# KiCad board ClockIOT.kicad_pcb (continued)
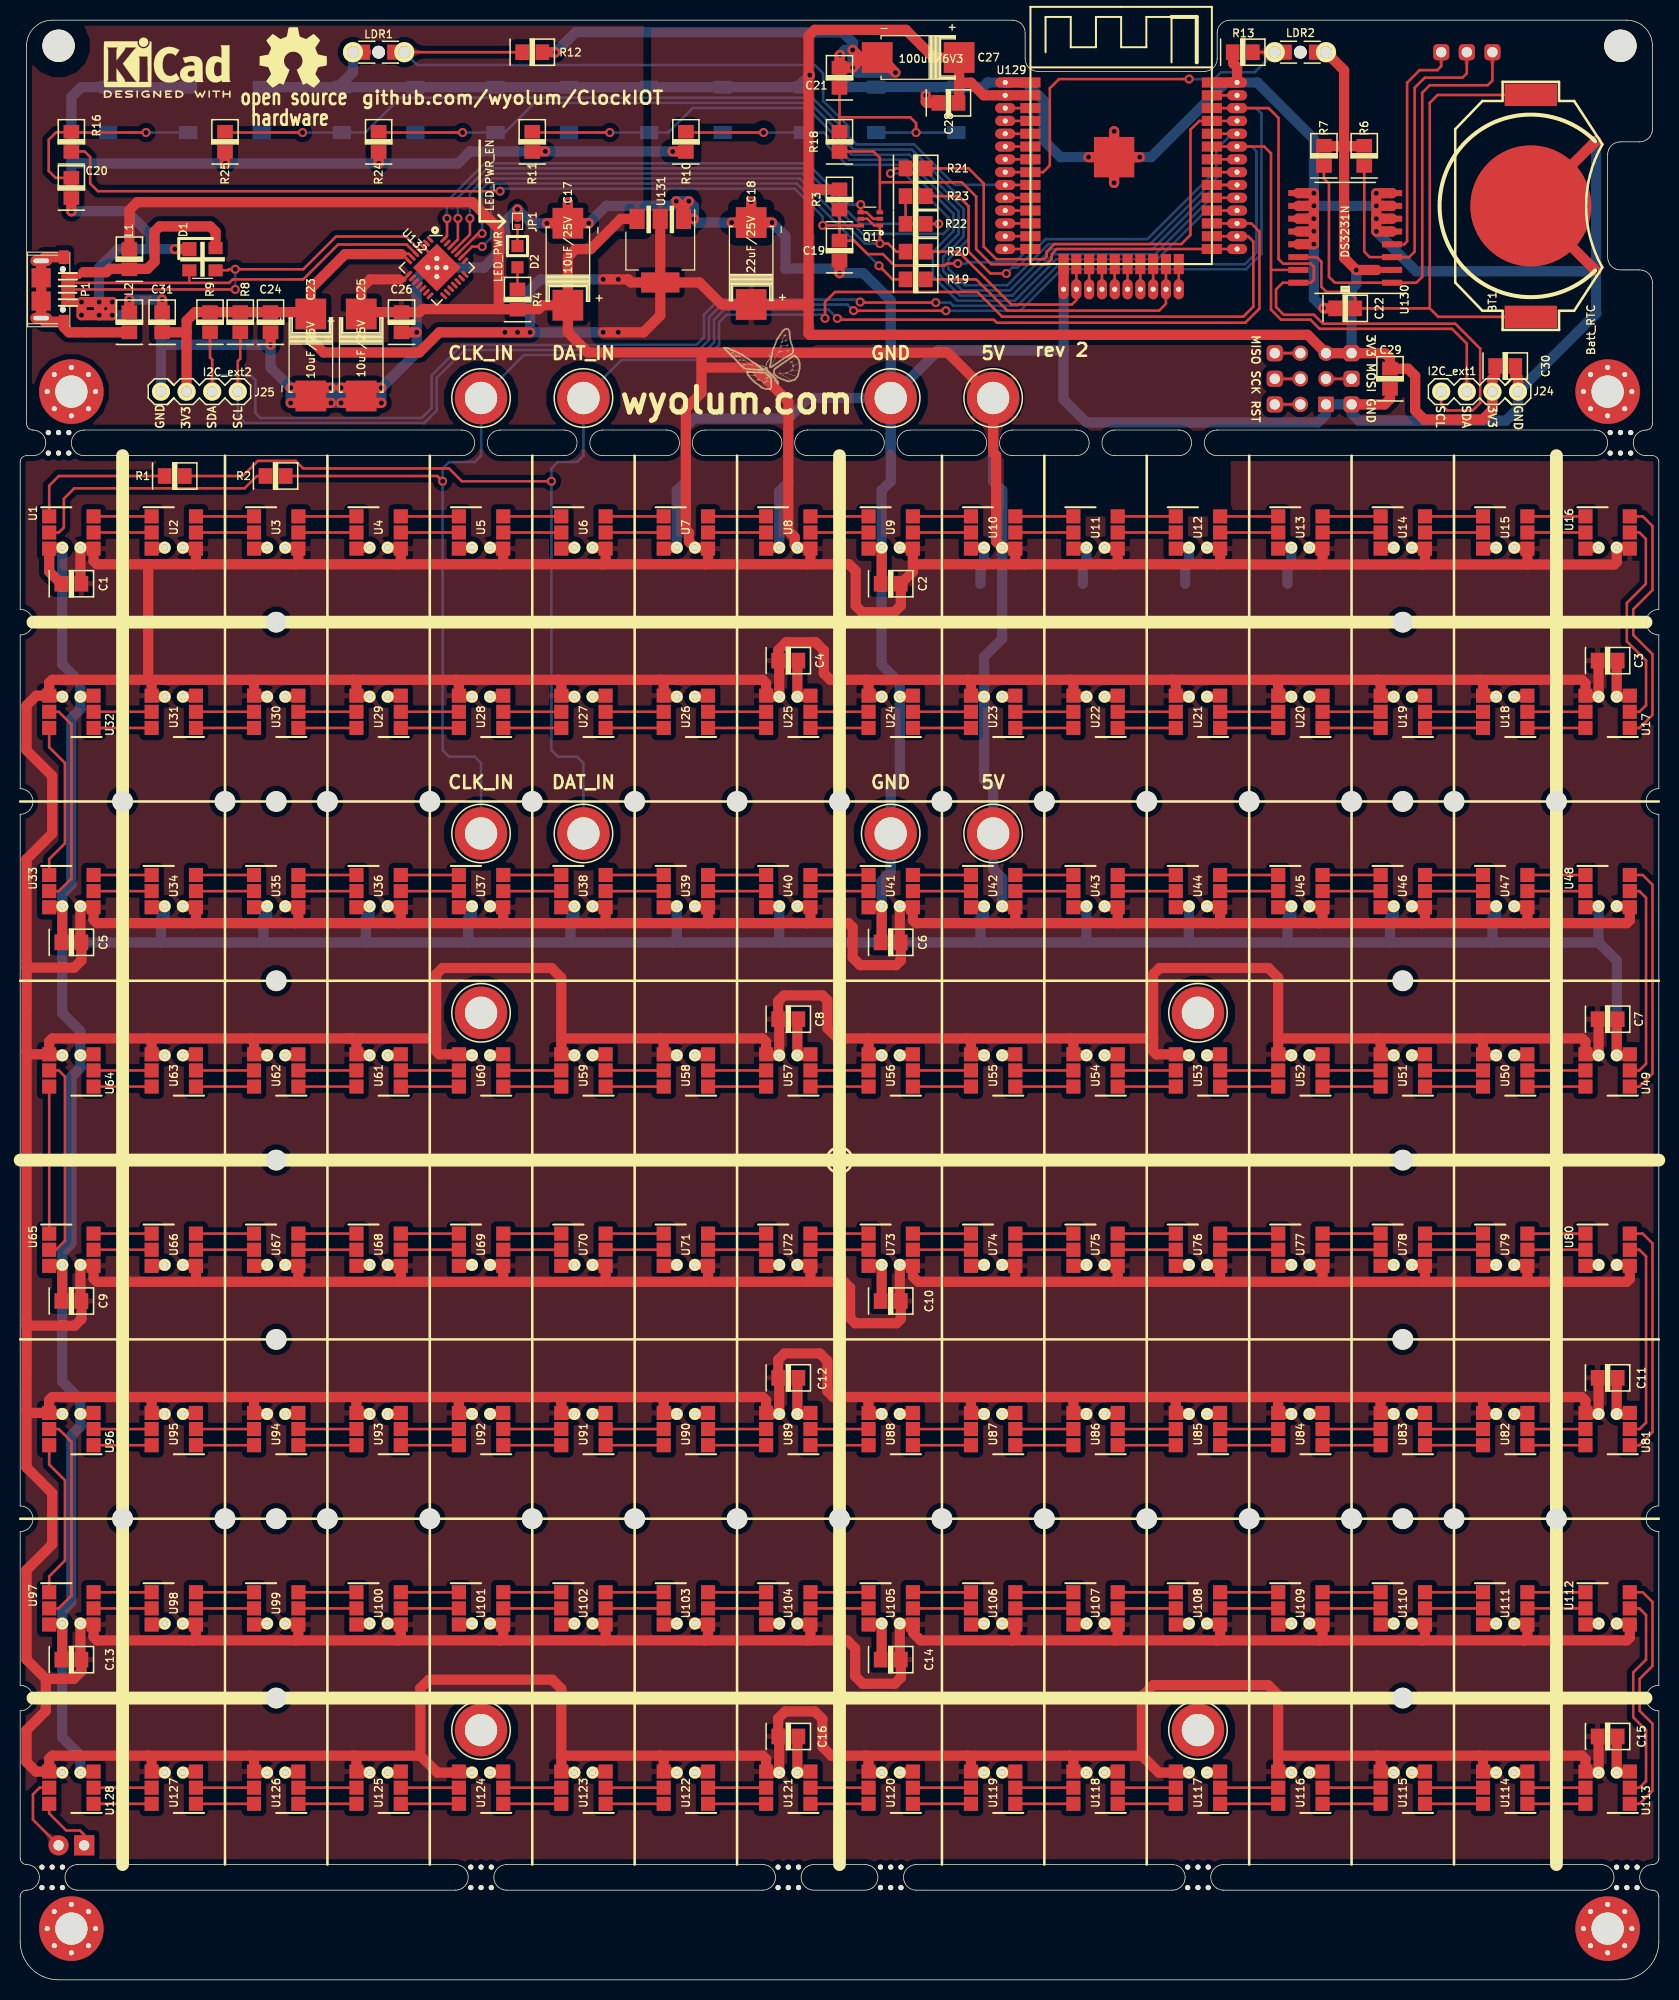
[diagram p0: board, top side]
## Routing (per net, layer and track width the routed paths; a pad name or vN(x,y) marks a point on that pad's centre or on a via; arc(x,y) is an arc through that point) (continued)
  Bottom w1.016: U42.4 97.42,109.23 96.52,110.13 J15.1 96.52,118.11 95.62,119.01 U23.4 95.62,131.18 97.42,132.98 U10.4 97.42,147.69 96.52,148.59 J7.1
GND: length 1342.8
  Top w0.254: U132.3 41.14,170.67 U132.29 ; 41.84,171.26 41.97,171.12 41.97,170.41
  Top w0.508: P1.5 6.03,166.31 v1(6.09,166.36)
  Top w1.016: v1(70.59,174.24) C18.2 ; C18.2 74.58,174.24 v1(74.59,174.24) ; C18.2 72.52,176.32 v1(72.52,176.32) ; v1(156.34,169.42) BT1.2 149.87,175.9 v1(156.33,182.36) ; U69.3 43.62,70.89 U69.3 ; v1(128.34,175.9) v1(128.34,177.16) 126.8,177.16 U130.9 ; v1(128.35,175.9) 128.35,174.64 v1(128.34,174.63) ; v1(128.35,175.9) 126.8,175.9 U130.10 ; U87.3 98.62,56.11 U87.3 ; U53.3 118.94,91.67 U53.3 ; U51.3 139.26,91.67 U51.3 ; 47.92,20.65 47.82,20.55 46.62,20.55 ; U40.3 74.1,106.45 U40.3 ; U4.3 33.46,142.01 U4.3 ; U84.3 129.1,56.11 U84.3 ; U43.3 104.58,106.45 U43.3 ; 145.12,35.23 145.22,35.33 U111.3 ; U115.3 139.26,20.55 U115.3 ; U89.3 78.3,56.11 U89.3 77.1,59.59 C12.1 ; U108.3 114.74,35.33 U108.3 ; v1(65.09,176.36) 65.8,175.65 U131.1 ; v1(129.28,165.76) 129.31,165.74 C22.2 ; U131.1 65.8,175.83 v1(66.34,176.36) ; U131.1 v1(66.84,174.6) ; 145.12,141.91 145.22,142.01 U15.3 ; U52.3 129.1,91.67 U52.3 ; v1(64.72,181.29) 66.04,181.29 66.04,181.29 ; v1(81.28,169.23) 81.28,169.24 C19.2 ; U93.3 37.66,56.11 U93.3 ; C25.2 34.65,157.86 v1(35.84,157.86) ; C25.2 34.52,156.36 v1(35.84,156.36) ; C25.2 33.15,156.36 v1(31.84,156.36) ; C25.2 33.02,157.86 v1(31.84,157.86) ; U109.3 124.9,35.33 U109.3 ; U62.3 27.5,91.67 U62.3 ; 84.16,106.35 84.26,106.45 U41.3 85.46,102.97 C6.2 ; U129.39 108.52,178.19 v1(108.52,178.18) ; U129.39 v1(111.06,180.73) ; U129.39 v1(105.97,180.73) ; U129.39 108.52,183.29 v1(108.53,183.29) ; U44.3 114.74,106.45 U44.3 ; 50.8,181.29 50.81,181.3 v1(52.1,181.3) ; U23.3 98.62,127.23 U23.3 ; v1(7.84,165.06) v1(6.09,165.06) v1(6.09,166.36) v1(7.83,166.36) ; v1(7.84,165.06) v1(7.84,166.36) ; v1(7.84,165.06) v1(9.13,165.06) v1(9.13,166.36) v1(7.84,166.36) ; U123.3 57.98,20.55 56.78,20.55 ; C27.2 83.59,190.61 v1(82.59,189.61) 82.57,189.6 C21.1 81.28,190.81 v1(81.34,190.86) ; C27.2 83.34,190.61 v1(82.59,191.36) ; C27.2 85.34,190.61 v1(86.84,189.11) ; U101.3 43.62,35.33 U101.3 ; v1(35.59,180.11) 35.56,180.14 35.56,181.29 ; U98.3 13.14,35.33 U98.3 ; U107.3 104.58,35.33 U107.3 ; 56.78,91.67 57.98,91.67 U59.3 ; U39.3 63.94,106.45 U39.3 ; U79.3 145.22,70.89 145.12,70.79 ; U90.3 68.14,56.11 U90.3 ; U130.13 126.81,172.1 v1(128.35,172.1) 128.34,172.11 v1(128.34,173.38) ; U46.3 135.06,106.45 U46.3 ; U74.3 94.42,70.89 U74.3 ; U120.3 88.46,20.55 U120.3 ; U130.7 136.09,175.9 v1(134.53,175.9) ; 46.62,91.67 47.82,91.67 47.92,91.77 ; U91.3 57.98,56.11 56.78,56.11 ; U82.3 149.42,56.11 148.22,56.11 ; U86.3 108.78,56.11 U86.3 ; U77.3 124.9,70.89 U77.3 ; U31.3 17.34,127.23 U31.3 ; U56.3 88.46,91.67 U56.3 ; U113.3 159.58,20.55 158.38,20.55 158.38,24.03 C15.1 ; U67.3 23.3,70.89 U67.3 ; U71.3 63.94,70.89 U71.3 ; U95.3 17.34,56.11 U95.3 ; 51.75,191.14 53.06,191.14 v1(53.09,191.11) ; v1(134.53,174.62) v1(134.53,173.36) 136.09,173.36 U130.5 ; v1(134.53,174.62) v1(134.53,175.9) ; v1(134.53,174.62) 136.09,174.62 U130.6 ; v1(89.84,186.86) 89.84,186.22 89.95,186.11 C28.2 ; U38.3 53.78,106.45 U38.3 ; v1(134.53,175.9) 134.53,175.91 v1(134.53,177.16) 136.09,177.16 U130.8 ; U118.3 108.78,20.55 U118.3 ; U129.1 U129.1 ; U8.3 74.1,142.01 U8.3 ; U121.3 78.3,20.55 U121.3 77.1,24.03 C16.1 ; 47.92,56.21 47.82,56.11 46.62,56.11 ; U42.3 94.42,106.45 U42.3 ; C10.2 85.46,67.41 U73.3 84.26,70.89 84.16,70.79 ; C29.2 135.89,156.75 135.36,156.21 J23.1 ; U12.3 114.74,142.01 U12.3 ; U80.3 155.38,70.89 155.28,70.79 ; U54.3 108.78,91.67 U54.3 ; U45.3 124.9,106.45 U45.3 ; U110.3 135.06,35.33 U110.3 ; v1(15.34,171.61) D1.1 ; C30.1 148.32,159.1 148.59,158.83 J24.4 ; C2.2 85.46,138.53 U9.3 84.26,142.01 84.16,141.91 ; U116.3 129.1,20.55 U116.3 ; U99.3 23.3,35.33 U99.3 ; U10.3 94.42,142.01 U10.3 ; U18.3 149.42,127.23 148.22,127.23 ; U83.3 139.26,56.11 U83.3 ; 36.46,20.52 U125.3 37.66,20.55 U125.3 ; C23.2 28.15,156.36 v1(26.84,156.36) ; C23.2 29.65,157.86 v1(30.84,157.86) ; C23.2 29.52,156.36 v1(30.84,156.36) ; C23.2 28.02,157.86 v1(26.84,157.86) ; 46.62,127.23 47.82,127.23 47.92,127.33 ; v1(56.4,174.17) 56.4,174.17 C17.2 ; C17.2 v1(54.34,176.25) ; C17.2 52.26,174.17 v1(52.26,174.17) ; C14.2 85.46,31.85 U105.3 84.26,35.33 84.16,35.23 ; U57.3 78.3,91.67 U57.3 77.1,95.15 C8.1 ; U96.3 7.18,56.11 U96.3 ; U88.3 88.46,56.11 U88.3 ; U72.3 74.1,70.89 U72.3 ; U130.12 128.31,173.36 v1(128.34,173.38) ; U26.3 68.14,127.23 U26.3 ; C3.1 158.38,130.71 158.38,127.23 159.58,127.23 U17.3 ; U20.3 129.1,127.23 U20.3 ; U64.3 7.18,91.67 U64.3 ; U104.3 74.1,35.33 U104.3 ; U7.3 63.94,142.01 U7.3 ; U65.3 2.98,70.89 U65.3 4.18,67.41 C9.2 ; U66.3 13.14,70.89 U66.3 ; U75.3 104.58,70.89 U75.3 ; U100.3 33.46,35.33 U100.3 ; U103.3 63.94,35.33 U103.3 ; U2.3 13.14,142.01 U2.3 ; 148.22,91.67 149.42,91.67 U50.3 ; 155.28,35.23 155.38,35.33 U112.3 ; U126.3 27.5,20.55 U126.3 ; 120.33,191.14 120.33,190.03 120.72,189.65 U129.38 U129.38 ; U35.3 23.3,106.45 U35.3 ; 20.32,181.29 20.32,180.12 v1(20.34,180.11) ; U27.3 57.98,127.23 56.78,127.23 ; U76.3 114.74,70.89 U76.3 ; C5.2 4.18,102.97 U33.3 2.98,106.45 U33.3 ; v1(128.34,173.38) v1(128.34,174.63) ; U117.3 118.94,20.55 U117.3 ; U61.3 37.66,91.67 U61.3 ; U34.3 13.14,106.45 U34.3 ; U29.3 37.66,127.23 U29.3 ; 10.84,165.31 v1(10.84,166.61) ; U68.3 33.46,70.89 U68.3 ; U55.3 98.62,91.67 U55.3 ; U78.3 135.06,70.89 U78.3 ; U6.3 53.78,142.01 U6.3 ; U22.3 108.78,127.23 U22.3 ; U128.3 7.18,20.55 U128.3 ; U114.3 149.42,20.55 148.22,20.55 ; U24.3 88.46,127.23 U24.3 ; U25.3 78.3,127.23 U25.3 77.1,130.71 C4.1 ; C11.1 158.38,59.59 158.38,56.11 159.58,56.11 U81.3 ; U5.3 43.62,142.01 U5.3 ; U102.3 53.78,35.33 U102.3 ; U122.3 68.14,20.55 U122.3 ; U127.3 17.34,20.55 U127.3 ; 155.28,141.91 155.38,142.01 U16.3 ; U119.3 98.62,20.55 U119.3 ; U129.15 U129.15 ; 155.28,106.35 155.38,106.45 U48.3 ; U49.3 159.58,91.67 158.38,91.67 158.38,95.15 C7.1 ; U14.3 135.06,142.01 U14.3 ; C24.2 v1(24.84,162.13) ; U19.3 139.26,127.23 U19.3 ; U97.3 2.98,35.33 U97.3 4.18,31.85 C13.2 ; U70.3 53.78,70.89 U70.3 ; U32.3 7.18,127.23 U32.3 ; U30.3 27.5,127.23 U30.3 ; U106.3 94.42,35.33 U106.3 ; U85.3 118.94,56.11 U85.3 ; U47.3 145.22,106.45 145.12,106.35 ; v1(128.34,174.63) 126.8,174.63 U130.11 ; U63.3 17.34,91.67 U63.3 ; C20.2 5.08,175.37 v1(5.09,175.36) ; U1.3 2.98,142.01 U1.3 2.88,139.63 C1.2 ; U21.3 118.94,127.23 U21.3 ; U13.3 124.9,142.01 U13.3 ; U11.3 104.58,142.01 U11.3 ; U36.3 33.46,106.45 U36.3 ; U3.3 23.3,142.01 U3.3 ; U58.3 68.14,91.67 U58.3 ; C31.1 v1(14.09,166.61) ; U94.3 27.5,56.11 U94.3 ; C26.2 v1(39.34,163.36) ; U37.3 43.62,106.45 U37.3 ; JP1.1 v1(49.34,175.56)
  Bottom w1.016: 120.65,188.13 U129.38 ; U129.38 122.74,188.13 128.34,182.52 v1(128.34,177.16) ; U129.38 119.6,188.13 112.2,180.73 v1(111.06,180.73) 108.52,180.73 ; 103.5,161.48 103.43,161.56 91.08,161.56 J8.1 ; 103.5,161.48 U129.15 ; 103.5,161.48 103.5,156.7 105.78,154.43 128.75,154.43 129.54,155.22 J20.6 J23.1 132.08,155.31 132.79,154.6 147.4,154.6 148.59,155.8 J24.4 156.36,165.25 156.34,165.28 v1(156.34,169.42) ; 34.29,102.87 44.45,102.87 ; 34.29,102.87 34.29,105.23 34.66,105.6 U36.3 ; 34.29,102.87 24.13,102.87 ; 44.45,102.87 44.45,105.23 44.82,105.6 U37.3 ; 44.45,102.87 54.61,102.87 ; v1(31.84,156.36) v1(26.84,156.36) v1(26.84,157.86) ; v1(31.84,156.36) v1(31.84,157.86) ; v1(31.84,156.36) v1(35.84,156.36) v1(35.84,157.86) ; 108.52,180.73 v1(108.52,178.18) ; 108.52,180.73 v1(105.97,180.73) 103.21,180.73 101.55,182.39 101.55,186.32 99.74,188.13 U129.1 95.98,188.13 95.52,187.67 S4.3 89.84,187.67 ; 108.52,180.73 108.53,180.74 v1(108.53,183.29) ; v1(156.34,169.42) 138.48,169.42 v1(134.53,173.36) ; v1(156.34,169.42) v1(156.34,182.36) ; 4.18,102.86 4.19,102.87 13.97,102.87 ; 4.18,102.86 4.18,95.86 5.98,94.06 U64.3 5.98,90.44 5.08,89.54 5.08,73.03 4.18,72.12 U65.3 4.18,59.32 5.98,57.52 U96.3 5.98,54.88 5.08,53.98 5.08,37.47 4.18,36.57 U97.3 4.18,24.03 5.98,22.23 U128.3 ; 4.18,102.86 U33.3 4.18,107.69 5.08,108.59 5.08,125.1 5.98,126 U32.3 5.98,128.64 4.18,130.44 U1.3 ; J8.1 78.23,156.85 76.21,154.82 ; J8.1 86.36,153.29 ; J8.1 86.36,166.5 83.64,169.23 v1(81.28,169.23) 80.84,169.68 75.92,169.68 75.92,172.91 v1(74.59,174.24) 70.59,174.24 v1(70.59,174.24) 67.19,174.24 v1(66.84,174.6) 66.84,175.86 v1(66.34,176.36) v1(65.09,176.36) 64.64,175.91 58.15,175.91 v1(56.4,174.17) 54.32,174.17 ; 146.05,102.87 146.05,105.23 146.42,105.6 U47.3 ; 146.05,102.87 135.89,102.87 ; 146.05,102.87 156.58,102.87 ; 105.41,102.87 116.21,102.87 ; 105.41,102.87 95.25,102.87 ; 105.41,102.87 105.78,103.24 U43.3 ; 116.21,102.87 115.94,103.14 U44.3 ; 116.21,102.87 125.73,102.87 ; 95.25,102.87 85.34,102.87 ; 95.25,102.87 95.25,105.23 95.62,105.6 U42.3 ; U48.3 156.58,102.87 ; 156.58,102.87 158.38,101.07 158.38,91.67 ; U45.3 126.1,105.6 125.73,105.23 125.73,102.87 ; 148.27,20.5 148.22,20.55 ; v1(82.59,191.36) 82.59,192.11 81.59,193.11 55.09,193.11 v1(53.09,191.11) ; v1(82.59,191.36) 81.84,191.36 v1(81.34,190.86) 81.34,188.61 82.28,187.67 S4.1 89.84,187.67 ; v1(82.59,191.36) v1(82.59,189.61) 83.09,189.11 v1(86.84,189.11) ; 12.95,171.61 v1(15.34,171.61) ; 12.95,171.61 9.69,171.61 7.84,169.76 v1(7.84,166.36) ; 12.95,171.61 12.95,173 10.59,175.36 v1(5.09,175.36) 5.09,180.15 ; 24.13,102.87 24.13,105.23 24.5,105.6 U35.3 ; 24.13,102.87 13.97,102.87 ; U13.3 126.1,140.34 125.73,139.97 125.73,138.43 ; 54.32,174.17 v1(52.26,174.17) 50.73,174.17 v1(49.34,175.56) 48.07,174.3 48.07,171.85 46,169.77 U132.29 ; 54.32,174.17 54.34,174.18 v1(54.34,176.25) ; 135.89,102.87 125.73,102.87 ; 135.89,102.87 135.89,105.23 136.26,105.6 U46.3 ; v1(30.84,157.86) v1(30.84,156.36) ; v1(30.84,157.86) v1(26.84,157.86) ; v1(30.84,157.86) v1(31.84,157.86) ; 64.77,102.87 75.56,102.87 ; 64.77,102.87 54.61,102.87 ; 64.77,102.87 65.14,103.24 U39.3 ; 75.56,102.87 85.34,102.87 ; 75.56,102.87 75.3,103.14 U40.3 ; 86.36,153.29 86.36,151.51 ; 86.36,153.29 86.36,148.59 85.46,147.69 U9.3 85.46,130.41 87.26,128.61 U24.3 87.26,119.01 86.36,118.11 J16.1 86.36,109.86 85.46,108.96 U41.3 85.46,103 85.34,102.87 ; 54.61,102.87 54.61,105.23 54.98,105.6 U38.3 ; 89.84,187.67 v1(89.84,186.86) ; U7.3 65.14,147.67 66.03,148.56 66.03,154.03 66.82,154.82 76.21,154.82 ; 13.97,162.13 13.97,165.86 14.09,165.97 v1(14.09,166.61) v1(10.84,166.61) 10.84,165.56 10.34,165.06 v1(7.84,165.06) ; 13.97,162.13 v1(24.84,162.13) 24.84,159.86 v1(26.84,157.86) ; 13.97,162.13 13.97,157.48 ; 5.09,180.15 5.09,186.67 6.08,187.67 S3.1 S3.3 ; 5.09,180.15 5.12,180.11 v1(20.34,180.11) v1(35.59,180.11) 43.43,180.11 44.63,181.3 v1(52.1,181.3) 52.11,181.29 v1(64.72,181.29) ; U10.3 95.62,140.34 95.25,139.97 95.25,138.43 ; v1(129.28,165.76) 128.35,166.7 v1(128.35,172.1) ; v1(31.84,157.86) v1(35.84,157.86) ; v1(35.84,157.86) 39.34,161.36 v1(39.34,163.36) 39.34,168.67 U132.29 ; 13.97,102.87 13.97,105.23 14.34,105.6 U34.3 ; 105.41,138.43 105.41,140.34 105.78,140.71 U11.3 ; U12.3 115.94,140.71 115.57,140.34 115.57,138.43 ; U8.3 75.3,147.58 76.21,148.48 76.21,154.82 ; v1(128.35,175.9) v1(134.53,175.9)
